# Altium PCB CPU_MOD.PcbDoc (continued)
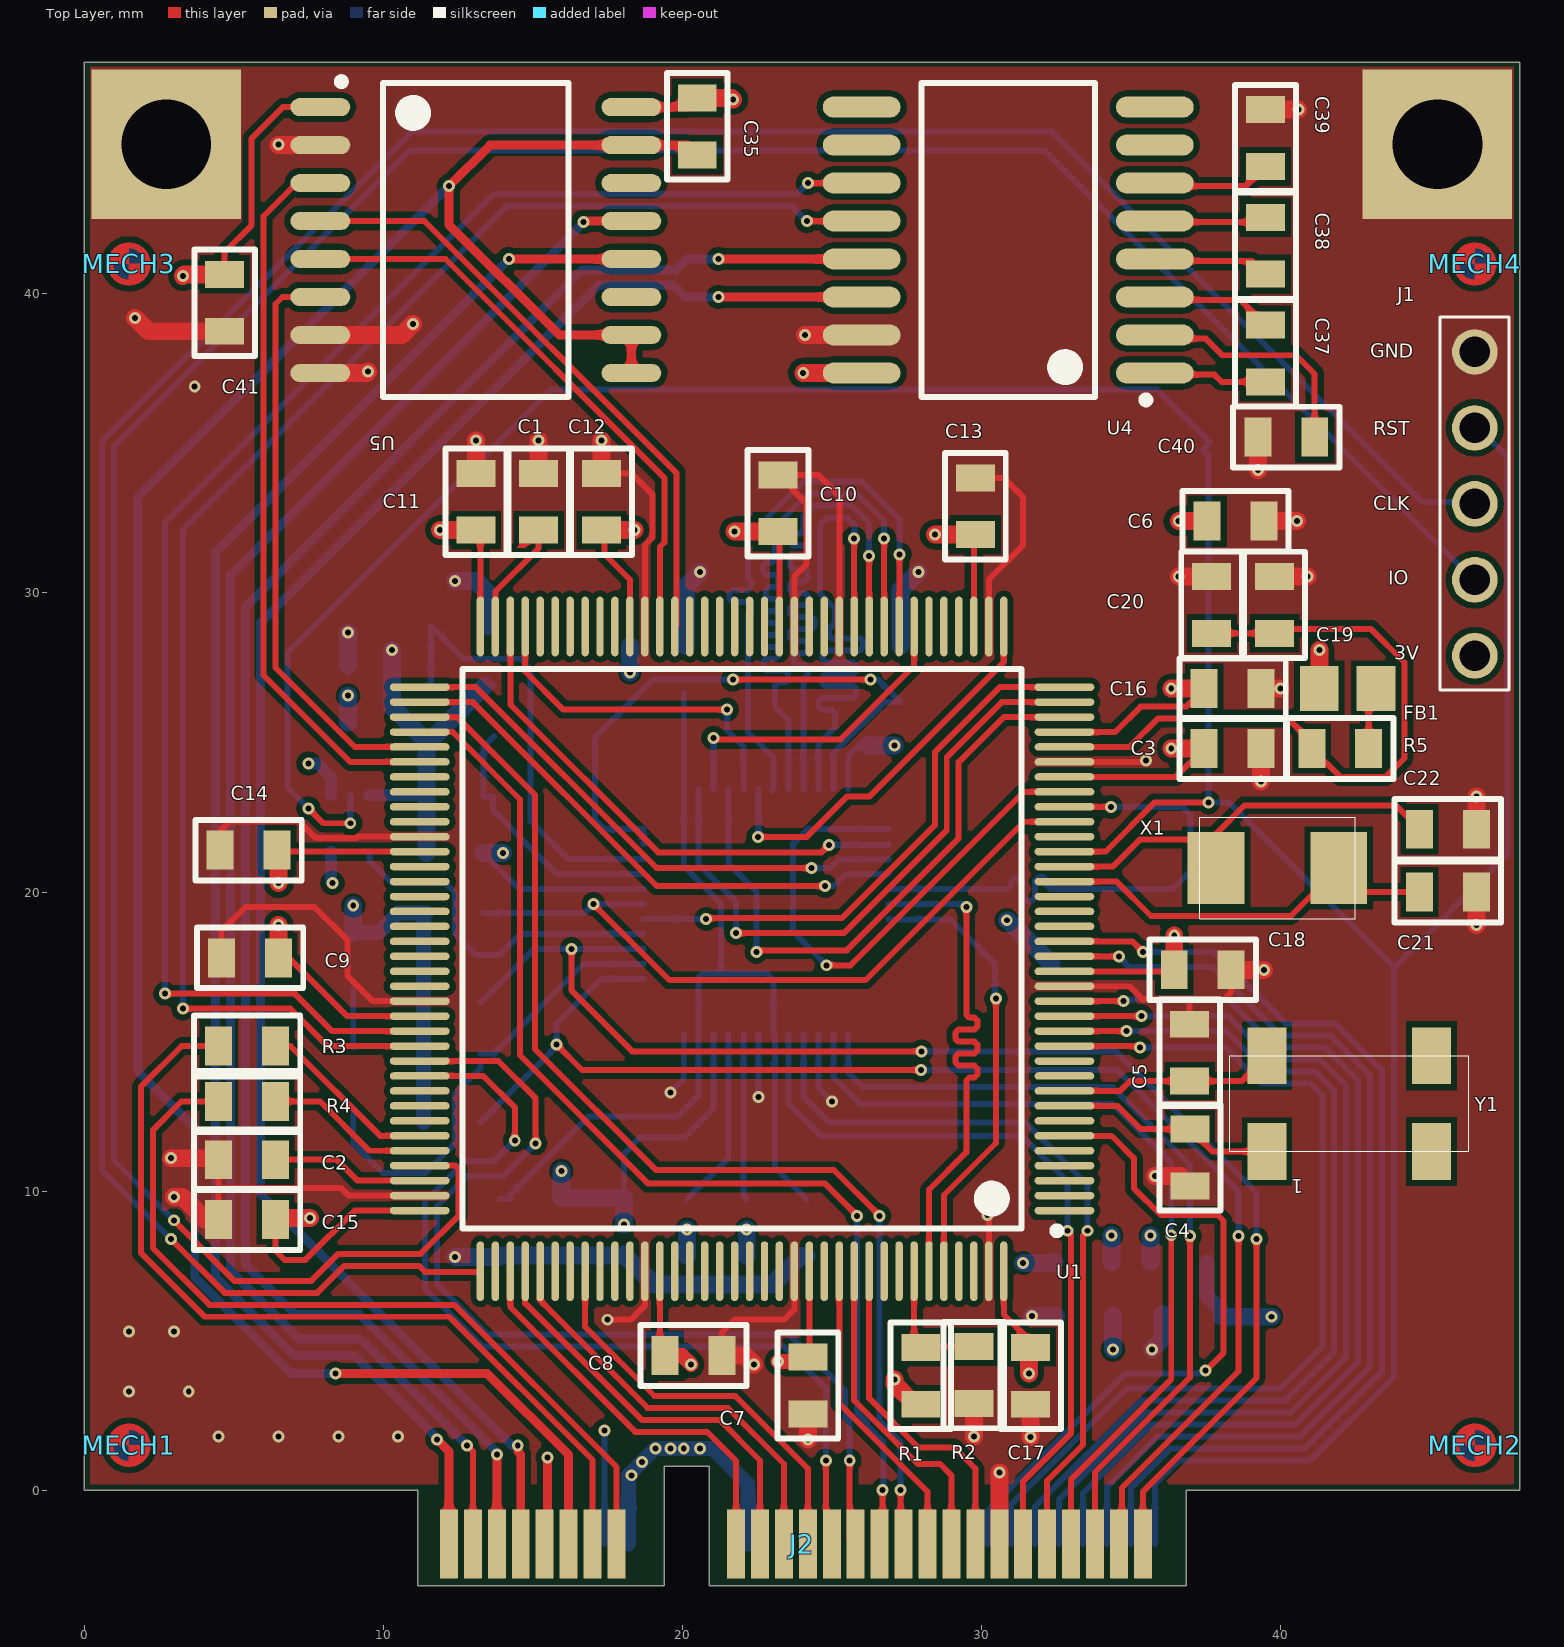
[diagram p0: Top Layer view]
## Footprints (in the part's own frame and the unit in brackets; to place one, negate y for a bottom-side part, rotate by r counter-clockwise, add the part's x,y. Pads: shape width x height; smd on the part's side, far side on the other; paste and mask are expansions set on the pad) (continued)
CRSTAL_RTC [mm] "MC-306"
  rect 1.3x1.9 smd: 1(2.75,1.6) 2(-2.75,1.6) 3(-2.75,-1.6) 4(2.75,-1.6)
  silkscreen extent -4,-1.6 4,1.6, body extent -3.45,-1.45 3.65,1.65, height 1.6
DW16_L [mm] "SOIC, 16-Leads, Body 10.3x7.5mm, Pitch 1.27mm, IPC High Density"
  oval 2x0.6 smd: 1(-5.2,4.445) 2(-5.2,3.175) 3(-5.2,1.905) 4(-5.2,0.635) 5(-5.2,-0.635) 6(-5.2,-1.905) 7(-5.2,-3.175) 8(-5.2,-4.445) 9(5.2,-4.445) 10(5.2,-3.175) 11(5.2,-1.905) 12(5.2,-0.635) 13(5.2,0.635) 14(5.2,1.905) 15(5.2,3.175) 16(5.2,4.445)
  silkscreen extent -4.62,-5.25 3.1,5.42, body extent -5.31,-5.25 5.32,5.25, height 2.72
"Header 1x5 2.54mm" [mil]
  round 60 hole 40: 1(0,0) 2(100,0) 3(200,0) 4(300,0) 5(400,0)
  silkscreen extent -45,-45 446,46
LED_0805 [mil]
  rect 45.28x47 smd: 1(44.29,0) 2(-44.29,0)
  silkscreen extent -39,-25 39,25, body extent -41,-15 41,21, height 33
"MINI PCIE" [mm]
  rect 0.6x2.3 smd paste-0.9: 1(3.2,1.4) 3(4,1.4) 5(4.8,1.4) 7(5.6,1.4) 9(6.4,1.4) 11(7.2,1.4) 13(8,1.4) 15(8.8,1.4) 17(12.8,1.4) 19(13.6,1.4) 21(14.4,1.4) 23(15.2,1.4) 25(16,1.4) 27(16.8,1.4) 29(17.6,1.4) 31(18.4,1.4) 33(19.2,1.4) 35(20,1.4) 37(20.8,1.4) 39(21.6,1.4) 41(22.4,1.4) 43(23.2,1.4) 45(24,1.4) 47(24.8,1.4) 49(25.6,1.4) 51(26.4,1.4)
  rect 0.6x2.3 smd far side paste-0.9: 2(3.6,1.4) 4(4.4,1.4) 6(5.2,1.4) 8(6,1.4) 10(6.8,1.4) 12(7.6,1.4) 14(8.4,1.4) 16(9.2,1.4) 18(13.2,1.4) 20(14,1.4) 22(14.8,1.4) 24(15.6,1.4) 26(16.4,1.4) 28(17.2,1.4) 30(18,1.4) 32(18.8,1.4) 34(19.6,1.4) 36(20.4,1.4) 38(21.2,1.4) 40(22,1.4) 42(22.8,1.4) 44(23.6,1.4) 46(24.4,1.4) 48(25.2,1.4) 50(26,1.4) 52(26.8,1.4)
R0805 [mm]
  rect 0.9x1.3 smd: 1(-0.95,0) 2(0.95,0)
  silkscreen extent -1.78,-1.02 1.78,1.02, body extent -1.15,-0.67 1.15,0.68, height 0.76
sm-so-sc70-5 [mil] "SM-SO-SC70-5"
  rect 16x40 smd mask+2.36: 1(-25.59,-37.4) 2(0,-37.4) 3(25.59,-37.4) 4(25.59,37.4) 5(-25.59,37.4)
  silkscreen extent -56,-46 39,25, body extent -43,-47 43,47, height 43
SM_OSC_ABM3 [mm] "SM_OSC_ABM3"
  rect 1.9x2.4 smd: 1(-2.05,0) 2(2.05,0)
  silkscreen extent -2.6,-1.7 2.6,1.7, body extent -3.08,-1.85 3.13,1.85, height 1.44
STM-LQFP48_M [mm] "QFP, 48-Leads, Body 7x7mm, Pitch 0.5mm, IPC Low Density"
  oval 2.1x0.3 smd mask+0.1: 1(-4.1,2.75) 2(-4.1,2.25) 3(-4.1,1.75) 4(-4.1,1.25) 5(-4.1,0.75) 6(-4.1,0.25) 7(-4.1,-0.25) 8(-4.1,-0.75) 9(-4.1,-1.25) 10(-4.1,-1.75) 11(-4.1,-2.25) 12(-4.1,-2.75) 25(4.1,-2.75) 26(4.1,-2.25) 27(4.1,-1.75) 28(4.1,-1.25) 29(4.1,-0.75) 30(4.1,-0.25) 31(4.1,0.25) 32(4.1,0.75) 33(4.1,1.25) 34(4.1,1.75) 35(4.1,2.25) 36(4.1,2.75)
  oval 0.3x2.1 smd mask+0.1: 13(-2.75,-4.1) 14(-2.25,-4.1) 15(-1.75,-4.1) 16(-1.25,-4.1) 17(-0.75,-4.1) 18(-0.25,-4.1) 19(0.25,-4.1) 20(0.75,-4.1) 21(1.25,-4.1) 22(1.75,-4.1) 23(2.25,-4.1) 24(2.75,-4.1) 37(2.75,4.1) 38(2.25,4.1) 39(1.75,4.1) 40(1.25,4.1) 41(0.75,4.1) 42(0.25,4.1) 43(-0.25,4.1) 44(-0.75,4.1) 45(-1.25,4.1) 46(-1.75,4.1) 47(-2.25,4.1) 48(-2.75,4.1)
  silkscreen extent -4.23,-2.65 2.65,3.57, body extent -4.5,-4.5 4.5,4.5, height 1.5
STM-LQFP144_L [mm]
  oval 2x0.25 smd mask+0.2: 1(-10.779,8.75) 2(-10.779,8.25) 3(-10.779,7.75) 4(-10.779,7.25) 5(-10.779,6.75) 6(-10.779,6.25) 7(-10.779,5.75) 8(-10.779,5.25) 9(-10.779,4.75) 10(-10.779,4.25) 11(-10.779,3.75) 12(-10.779,3.25) 13(-10.779,2.75) 14(-10.779,2.25) 15(-10.779,1.75) 16(-10.779,1.25) 17(-10.779,0.75) 18(-10.779,0.25) 19(-10.779,-0.25) 20(-10.779,-0.75) 21(-10.779,-1.25) 22(-10.779,-1.75) 23(-10.779,-2.25) 24(-10.779,-2.75) 25(-10.779,-3.25) 26(-10.779,-3.75) 27(-10.779,-4.25) 28(-10.779,-4.75) 29(-10.779,-5.25) 30(-10.779,-5.75) 31(-10.779,-6.25) 32(-10.779,-6.75) 33(-10.779,-7.25) 34(-10.779,-7.75) 35(-10.779,-8.25) 36(-10.779,-8.75) 73(10.779,-8.75) 74(10.779,-8.25) 75(10.779,-7.75) 76(10.779,-7.25) 77(10.779,-6.75) 78(10.779,-6.25) 79(10.779,-5.75) 80(10.779,-5.25) 81(10.779,-4.75) 82(10.779,-4.25) 83(10.779,-3.75) 84(10.779,-3.25) 85(10.779,-2.75) 86(10.779,-2.25) 87(10.779,-1.75) 88(10.779,-1.25) 89(10.779,-0.75) 90(10.779,-0.25) 91(10.779,0.25) 92(10.779,0.75) 93(10.779,1.25) 94(10.779,1.75) 95(10.779,2.25) 96(10.779,2.75) 97(10.779,3.25) 98(10.779,3.75) 99(10.779,4.25) 100(10.779,4.75) 101(10.779,5.25) 102(10.779,5.75) 103(10.779,6.25) 104(10.779,6.75) 105(10.779,7.25) 106(10.779,7.75) 107(10.779,8.25) 108(10.779,8.75)
  oval 0.25x2 smd mask+0.2: 37(-8.75,-10.779) 38(-8.25,-10.779) 39(-7.75,-10.779) 40(-7.25,-10.779) 41(-6.75,-10.779) 42(-6.25,-10.779) 43(-5.75,-10.779) 44(-5.25,-10.779) 45(-4.75,-10.779) 46(-4.25,-10.779) 47(-3.75,-10.779) 48(-3.25,-10.779) 49(-2.75,-10.779) 50(-2.25,-10.779) 51(-1.75,-10.779) 52(-1.25,-10.779) 53(-0.75,-10.779) 54(-0.25,-10.779) 55(0.25,-10.779) 56(0.75,-10.779) 57(1.25,-10.779) 58(1.75,-10.779) 59(2.25,-10.779) 60(2.75,-10.779) 61(3.25,-10.779) 62(3.75,-10.779) 63(4.25,-10.779) 64(4.75,-10.779) 65(5.25,-10.779) 66(5.75,-10.779) 67(6.25,-10.779) 68(6.75,-10.779) 69(7.25,-10.779) 70(7.75,-10.779) 71(8.25,-10.779) 72(8.75,-10.779) 109(8.75,10.779) 110(8.25,10.779) 111(7.75,10.779) 112(7.25,10.779) 113(6.75,10.779) 114(6.25,10.779) 115(5.75,10.779) 116(5.25,10.779) 117(4.75,10.779) 118(4.25,10.779) 119(3.75,10.779) 120(3.25,10.779) 121(2.75,10.779) 122(2.25,10.779) 123(1.75,10.779) 124(1.25,10.779) 125(0.75,10.779) 126(0.25,10.779) 127(-0.25,10.779) 128(-0.75,10.779) 129(-1.25,10.779) 130(-1.75,10.779) 131(-2.25,10.779) 132(-2.75,10.779) 133(-3.25,10.779) 134(-3.75,10.779) 135(-4.25,10.779) 136(-4.75,10.779) 137(-5.25,10.779) 138(-5.75,10.779) 139(-6.25,10.779) 140(-6.75,10.779) 141(-7.25,10.779) 142(-7.75,10.779) 143(-8.25,10.779) 144(-8.75,10.779)
  silkscreen extent -10.65,-9.35 9.35,9.55, body extent -11,-11 11,11, height 1.7
T-Fidicuals [mm] "Fidicuals"
  Top Layer region: 0,-0.625 -0.375,-0.5 -0.625,-0.25 -0.625,0 0,0
  Top Layer region: 0.625,0 0,0 0,0.625 0.375,0.5 0.625,0.25
  Top Layer lines w0.203: 0,0.625 cw(c0,0) 0,-0.625 cw(c0,0) 0,0.625
TI-DW16_M [mm] "SOIC, 16-Leads, Body 10.3x7.5mm, Pitch 1.27mm, IPC Low Density"
  oval 2.6x0.7 smd: 1(-4.9,4.445) 2(-4.9,3.175) 3(-4.9,1.905) 4(-4.9,0.635) 5(-4.9,-0.635) 6(-4.9,-1.905) 7(-4.9,-3.175) 8(-4.9,-4.445) 9(4.9,-4.445) 10(4.9,-3.175) 11(4.9,-1.905) 12(4.9,-0.635) 13(4.9,0.635) 14(4.9,1.905) 15(4.9,3.175) 16(4.9,4.445)
  silkscreen extent -4.73,-5.25 2.9,5.47, body extent -5.21,-5.25 5.42,5.25, height 3.22

## Part data
C1 C2: library part C-2.2UF,16V,0805, "KEMET - C0805C225K4RACTU - CAP, MLCC, X7R, 2.2UF, 16V, 0805"
C3 C19 C26 C27 C28 C29 C34 C41: library part C-1UF,16V,0805, "AVX - 0805YC105KAT2A - CAP, MLCC, X7R, 1UF, 16V, 0805"
C4 C5 C21 C22 C32 C33: library part C-18PF,50V,0805, "MULTICOMP - MC0805N180J500CT - CAP, MLCC, C0G/NP0, 18PF, 50V,0805, REEL"
C6: library part C-4.7UF,16V,0805, "AVX - 0805YC475KAT2A - CAP, MLCC, X7R, 4.7UF, 16V, 0805"
C7 C8 C9 C10 C11 C12 C13 C14 C15 C16 C17 C18 C20 C23 C24 C25 C30 C31 C35 C37 C38 C39 C40: library part C-100NF,16V,0805, "AVX - 0805YA103JAT2A - CAP, MLCC, C0G/NP0, 10NF, 16V, 0805"
D1: library part "LED-Green SMD 20mA 2V 0805", "LED Green SMD 20mA 2V 0805"
FB1: library part L-150OHM,800MA, "FERRITE 800MA 150 OHM 0805 SMD"
J1: library part "CON-Header 1X5 2.54MM", "Header 1X5 2.54"
MECH1 MECH2 MECH3 MECH4 MECH5 MECH6 MECH7 MECH8: "Fidicuals"
R1: library part R-1.5K,%1,0805, "RES SMD 1.5K OHM 1% 1/8W 0805"
R2: "RES SMD 10K OHM 1% 1/8W 0805"
R3 R4: library part R-22R,0805, "PANASONIC - ERJP06F22R0V - RESISTOR, THICK FILM, 22 OHM, 0.5W, 1%"
R5 R12 R13 R14 R15: library part R-49.9R,0805, "PANASONIC - ERJP06F49R9V - RESISTOR, THICK FILM, 49.9 OHM, 0.5W, 1%"
R6: library part R-270R,0805, "TE CONNECTIVITY / NEOHM 270R Thin Film"
R7 R8 R9 R10 R11 R16 R18: "PANASONIC - ERJP06F2201V - RESISTOR, THICK FILM, 2.2 KOHM, 0.5W, 1%"
R17: library part R-4.7K,0805, "BOURNS - CR0805-FX-4701GLF - RESISTOR, 4.7K, 0.125W, 1%"
U1: "IC MCU 32BIT 1MB FLASH 144LQFP"
U2: "IC ETHERNET PHY 10/100 48LQFP"
U3: library part "IC-SN74LVC1G08DCKRE4- AND 1 CH", "IC GATE AND 1CH 2-INP SC-70-5"
U4: "Dual Channel RS-232 Line Driver/Receiver"
U5: library part IC-ISO3082-SOIC-DW-16, "DG ISO 2.5KV RS422/RS485 16SOIC"
X1: library part OSC-ABM7-8.000MHZ-D2Y-T, "CRYSTAL 8.0000MHZ 18PF SMD"
Y1: library part "OSC-CRYSTAL 32.7680 KHZ", "CRYSTAL 32.7680 KHZ 12.5PF SMD"
Y2: library part OSC-Crystal25MHz-R, "RALTRON - RH100-25.000-18-F-3030-EXT - CRYSTAL, 25MHZ, 18PF, 3.2MM X 2.5MM"

## Free pads (board coordinates)
  rect 5x5 hole 3 unplated: MH1(2.75,45) MH2(45.25,45)

## Via types
v1: diameter 0.4, hole 0.2, Top Layer to Bottom Layer, tented both sides, 157 vias

## Nets (pads, with @x,y where several pads share a name; then routed paths per layer and width w, separated by ;. In a path a pad name is that pad's centre, name@x,y a point inside that pad or via, vN(x,y) a via of type N, cw(c..) or ccw(c..) an arc to the next point about the centre after c; other vN are vias at no path point)
3V3: C3.1 C6.2 C7.2 C8.2 C9.2 C10.2 C11.2 C12.2 C13.2 C14.2 C15.2 C16.2 C17.2 C18.2 C26.2 C27.2 C28.2 C29.2 C30.2 C31.2 C34.2 C41.2 FB1.2 J1.1 J2.16 J2.18 R6.2 R7.2 R8.2 R9.2 R10.1 R11.2 R12.1 R13.1 R14.1 R15.1 R16.1 R18.2 U1.17 U1.30 U1.33 U1.39 U1.52 U1.62 U1.72 U1.84 U1.95 U1.108 U1.121 U1.131 U1.144 U2.22 U2.32 U2.48 U3.1 U3.5 U4.16 U5.1 | length 137.3
  Top Layer w0.2: C41.2 4.7,41.4 5.6,42.3 5.6,45.2 6.645,46.245 U5.1 ; C15.2@6.45,9.1 C15.2 6.4,8 6.7,7.7 7.4,7.7 9.05,9.35 U1.108 ; C9.2 6.847,17.8 8.797,15.85 U1.95 ; C14.2@6.5,21.35 U1.84 ; C11.2 13.25,31.95 U1.72 ; C12.2@17.4,32.1 17.4,31.3 18.25,30.45 U1.62 ; C8.2@19.25,4.55 U1.121 ; C10.2 23.25,32 U1.52 ; C7.2 24.25,4.5 U1.131 ; U1.39 C13.2@29.75,31.9 ; U1.144 30.75,5.875 C17.2@31.75,4.875 ; U1.17 C18.2@36.45,17.35 ; U1.30 36.5,23.85 C3.1 ; U1.33 34.477,25.35 35.327,26.2 36.85,26.2 C16.2
  Top Layer w0.5: C8.2@19.425,4.625 C8.2 20,4.5 v1(20.3,4.2) ; v1(23.2,4.3) 24.05,4.3 C7.2
  Top Layer w0.6: v1(3.3,40.6) 3.35,40.65 C41.2 ; C15.2@6.45,9.1 v1(7.55,9.1) ; C14.2 6.5,21.35 v1(6.5,20.3) ; C9.2 v1(6.5,18.9) ; v1(11.9,32.1) C11.2 ; C12.2 17.4,32.1 v1(18.4,32.1) ; v1(21.75,32.05) C10.2 ; v1(24.045,37.355) U4.16 ; v1(28.45,31.95) C13.2@29.7,31.95 ; v1(31.6,3.9) 31.6,4.725 C17.2 ; v1(36.35,24.8) C3.1 ; v1(36.35,26.8) C16.2 ; C18.2 v1(36.45,18.55) ; v1(36.6,32.4) C6.2 ; FB1.2 v1(41.3,28.1)
  Bottom Layer w0.2: R10.1@11.35,19.2 R10.1@11.45,19.3 ; C29.2 14.55,20.1 U2.32 ; C26.2 18.056,11.256 18.6,11.8 20.081,11.8 21.05,12.769 U2.22 ; v1@21.6,32.1 21.65,32.05 v1(21.75,32.05) ; U2.48 25.55,24.55 25.9,24.9 26.2,24.9 ; C30.2@38.025,5.8 C30.2@38.025,6
  Bottom Layer w0.4: v1(7.5,24.3) 7.8,24.3 8.25,23.85 U3.1 ; U3.5 8.25,20.35 v1(8.3,20.3)
  Bottom Layer w0.5: R6.2 9.85,18.65 10.5,19.3 R10.1 R10.1@11.45,19.3 ; R9.2 R8.2 R7.2 R10.1@11.35,19.2 ; J2.16 18.2,0.5 v1(19.1,1.4) 21,1.4 22.2,0.2 J2.18 ; R15.1 37.55,6.475 C30.2@38.025,6
  Bottom Layer w0.6: C34.2 v1(8.82,26.565) ; R6.2 v1(9,19.544) ; C29.2 v1(14,21.3) ; v1(15.956,10.669) C27.2 C26.2 v1(18.056,8.88) ; v1(18.246,27.336) C28.2 ; R18.2 v1(20.156,8.719) ; R11.2 v1(22.156,8.719) ; 26.2,24.9 v1(27.094,24.9) ; v1(30.85,19.057) 30.893,19.057 R16.1 ; v1(31.4,7.6) 32.425,7.6 R12.1 ; R13.1@34.35,7.625 v1(34.35,8.519) ; v1(34.4,4.7) C31.2 ; R14.1@35.65,7.625 v1(35.65,8.519) ; C30.2@38.025,5.8 v1(39.7,5.8)
  other v1: 18.3,0.5 18.65,0.95 19.6,1.4 20.05,1.4 20.6,1.4
5V: J2.12
ADC_MONITOR: J2.50 U1.19 | length 34.4
  Top Layer w0.2: U1.19 35.05,18.35 v1(35.4,18)
  Bottom Layer w0.2: J2.50 35,0.072 36.328,1.4 40.828,1.4 43.4,3.972 43.4,14.028 41.828,15.6 40.193,15.6 37.793,18 v1(35.4,18)
BAT3V3: J2.38 U1.6 | length 22.7
  Top Layer w0.2: U1.6 34.35,11.85 35.1,11.1 35.1,10.1 36,9.2 37.9,9.2 38.1,9 38.1,4.6 v1(37.5,4)
  Bottom Layer w0.2: J2.38 30.2,-0.7 34.8,3.9 37.4,3.9 v1(37.5,4)
ETH0_ACTLED: J2.49 R9.1 U2.26 | length 46.2
  Top Layer w0.2: v1(15.8,14.9) 16.65,14.05 v1(27.975,14.05) ; J2.49 34.7,-1.7 34.7,0.075 38.6,3.975 v1(38.6,8.5)
  Bottom Layer w0.2: R9.1 15.8,14.85 v1(15.8,14.9) 15.8,15.6 17.3,17.1 U2.26 ; v1(27.975,14.05) 34.549,14.05 38.6,9.999 v1(38.6,8.5)
ETH0_INT: R16.2 U1.140 U2.7 | length 15.2
  Top Layer w0.2: U1.140 28.75,9.87 30.488,11.608 v1(30.488,16.434)
  Bottom Layer w0.2: U2.7 26.917,19.083 28.967,19.083 R16.2 30.45,16.473 v1(30.488,16.434)
ETH0_LINKLED: J2.51 R7.1 U2.28 | length 46.8
  Top Layer w0.2: v1(16.3,18.1) 16.3,16.7 18.325,14.675 v1(28,14.675) ; J2.51@35.5,-1.7 J2.51 35.4,-0.056 39.2,3.744 v1(39.2,8.4)
  Bottom Layer w0.2: R7.1 15.05,18.1 U2.28 ; v1(28,14.675) 34.49,14.675 39.2,9.965 v1(39.2,8.4)
ETH0_MII_COL: U1.37 U2.42 | length 13.4
  Top Layer w0.2: v1(22.538,21.844) 24.164,21.844 25.519,23.2 26.264,23.2 30.75,27.686 U1.37
  Bottom Layer w0.2: v1(22.538,21.844) 22.55,21.856 U2.42
ETH0_MII_CRS: U1.34 U2.40 | length 20.9
  Top Layer w0.2: v1(22.475,18) 22.527,18.052 25.502,18.052 29.244,21.794 29.244,24.344 30.75,25.85 U1.34
  Bottom Layer w0.2: U2.40 21.55,20.95 22.475,20.025 v1(22.475,18)
ETH0_MII_MD_CLK: R10.2 U1.27 U2.31 | length 24.5
  Top Layer w0.2: v1(17.025,19.6) 19.573,17.052 26.128,17.052 31.426,22.35 U1.27
  Bottom Layer w0.2: R10.2@13.35,19.3 16.725,19.3 v1(17.025,19.6) U2.31
ETH0_MII_MD_IO: U1.36 U2.30 | length 18.7
  Top Layer w0.2: v1(20.8,19.1) 20.825,19.125 25.335,19.125 28.444,22.233 28.444,24.675 30.619,26.85 U1.36
  Bottom Layer w0.2: U2.30 v1(20.8,19.1)
ETH0_RSTN: U2.29 U3.4 | length 11.9
  Bottom Layer w0.2: U3.4 9.55,21.045 10.295,20.3 12.083,20.3 12.4,19.983 12.4,18.6 13.1,17.9 13.9,17.9 14.6,18.6 U2.29
ETH0_RX_CLK: U1.35 U2.38 | length 21
  Top Layer w0.2: v1(21.8,18.625) 25.401,18.625 28.844,22.068 28.844,24.509 30.684,26.35 U1.35
  Bottom Layer w0.2: U2.38 20.55,20.925 21.8,19.675 v1(21.8,18.625)
ETH0_RX_DV: U1.43 U2.39 | length 10.9
  Top Layer w0.2: v1@21,25.1 25.286,25.1 27.75,27.564 U1.43
  Bottom Layer w0.2: U2.39@21,23.5 U2.39 v1(21.05,25.15)
ETH0_RX_ERR: U1.69 U2.41 | length 11.7
  Top Layer w0.2: U1.69 14.75,27.375 16.025,26.1 v1(21.5,26.1)
  Bottom Layer w0.2: v1(21.5,26.1) 21.5,25.4 22.05,24.85 U2.41
ETH0_RXD_0: U1.44 U2.43 | length 20.1
  Top Layer w0.2: U1.44 27.263,28.892 v1(27.263,31.293)
  Bottom Layer w0.2: U2.43@23,23.4 U2.43 23.05,24.486 22.2,25.336 22.2,27.4 22.2,29.298 22.202,29.3 22.2,29.3 22.3,29.4 22.3,29.6 22.2,29.7 21.684,29.7 21.584,29.8 21.584,30 21.684,30.1 22.2,30.1 22.202,30.1 22.302,30.2 22.302,30.4 22.202,30.5 22.2,30.502 22.2,30.7 22.2,31.793 22.25,31.843 22.25,31.922 24.053,33.725 25.997,33.725 27.263,32.459 v1(27.263,31.293)
ETH0_RXD_1: U1.45 U2.44 | length 21
  Top Layer w0.2: U1.45 v1(26.75,31.827)
  Bottom Layer w0.2: U2.44 23.55,25.752 23.1,26.202 23.1,26.5 23.1,26.9 23.2,27 23.442,27 23.542,27.1 23.542,27.3 23.442,27.4 23.1,27.4 22.808,27.4 22.708,27.5 22.708,27.7 22.808,27.8 23.1,27.8 23.117,27.8 23.217,27.9 23.217,28.1 23.117,28.2 23.1,28.2 22.808,28.2 22.708,28.3 22.708,28.5 22.808,28.6 23.1,28.6 23.2,28.7 23.2,28.9 23.1,29 22.896,29 22.796,29.1 22.796,29.3 22.896,29.4 23.1,29.4 23.2,29.5 23.2,29.7 23.1,29.8 22.898,29.8 22.798,29.9 22.798,30.1 22.898,30.2 23.1,30.2 23.2,30.3 23.2,30.5 23.1,30.6 22.808,30.6 22.708,30.7 22.708,30.9 22.808,31 23,31 23.1,31.1 23.1,31.4 23.1,31.6 23.1,32.206 24.219,33.325 25.831,33.325 26.75,32.406 v1(26.75,31.827)
ETH0_RXD_2: U1.46 U2.45 | length 21.1
  Top Layer w0.2: U1.46 v1(26.25,31.242)
  Bottom Layer w0.2: U2.45@24.037,23.463 U2.45 24.05,26.1 24.05,26.5 24.05,26.7 24.05,27.137 24.104,27.191 24.1,27.191 24.199,27.291 24.199,27.491 24.099,27.591 24.05,27.591 23.821,27.591 23.721,27.691 23.721,27.891 23.821,27.991 24.05,27.991 24.099,27.991 24.199,28.091 24.199,28.291 24.099,28.391 24.05,28.391 23.704,28.391 23.604,28.491 23.604,28.691 23.704,28.791 24.05,28.791 24.325,28.791 24.425,28.891 24.425,29.091 24.325,29.191 24.05,29.191 23.704,29.191 23.604,29.291 23.604,29.491 23.704,29.591 24.05,29.591 24.106,29.591 24.206,29.691 24.206,29.891 24.106,29.991 24.05,29.991 23.704,29.991 23.604,30.091 23.604,30.291 23.704,30.391 24.05,30.391 24.096,30.391 24.196,30.491 24.196,30.691 24.096,30.791 24.05,30.791 23.704,30.791 23.604,30.891 23.604,31.091 23.704,31.191 24.05,31.191 24.096,31.191 24.196,31.291 24.196,31.491 24.096,31.591 24.05,31.591 23.704,31.591 23.604,31.691 23.604,31.891 23.704,31.991 23.95,31.991 24.05,32.091 24.05,32.391 24.05,32.591 24.384,32.925 25.666,32.925 26.25,32.341 v1(26.25,31.242)
ETH0_RXD_3: U1.47 U2.46 | length 20.9
  Top Layer w0.2: U1.47 v1(25.75,31.827)
  Bottom Layer w0.2: U2.46 24.55,24.95 25.1,25.5 25.1,25.981 25,26.081 24.649,26.081 24.549,26.181 24.549,26.381 24.649,26.481 25.1,26.481 25.716,26.481 25.816,26.581 25.816,26.781 25.716,26.881 25.1,26.881 24.783,26.881 24.683,26.981 24.683,27.181 24.783,27.281 25.1,27.281 25.688,27.281 25.788,27.381 25.788,27.581 25.688,27.681 25.1,27.681 24.783,27.681 24.683,27.781 24.683,27.981 24.783,28.081 25.1,28.081 25.951,28.081 26.051,28.181 26.051,28.381 25.951,28.481 25.1,28.481 25,28.481 24.9,28.581 24.9,28.781 25,28.881 25.1,28.981 25.1,29.281 25.1,29.481 24.6,29.981 24.6,32.275 24.825,32.5 25.525,32.5 25.764,32.261 v1@25.764,31.827
ETH0_SPEEDLED: D1.1 R8.1 U2.27 | length 15
  Bottom Layer w0.2: D1.1 9,11.6 10,10.6 11.4,10.6 12.4,11.6 12.4,13.25 13.25,14.1 R8.1 ; R8.1@13.25,14.595 13.695,14.595 16.7,17.6 U2.27
ETH0_TX_CLK: U1.29 U2.1 | length 18.3
  Top Layer w0.2: v1(24.824,17.552) 25.627,17.552 31.425,23.35 U1.29
  Bottom Layer w0.2: v1(24.824,17.552) 23.707,18.669 23.707,21.616 24.191,22.1 U2.1
ETH0_TX_EN: U1.70 U2.2 | length 17.4
  Top Layer w0.2: U1.70 14.25,26.272 19.197,21.325 24.65,21.325 v1(24.9,21.575)
  Bottom Layer w0.2: v1(24.9,21.575) 26.875,21.575 U2.2
ETH0_TXD_0: U1.73 U2.3 | length 18.3
  Top Layer w0.2: U1.73 13.1,26.85 19.147,20.803 v1(24.316,20.803)
  Bottom Layer w0.2: v1(24.316,20.803) 24.953,20.803 25.24,21.09 26.89,21.09 U2.3
ETH0_TXD_1: U1.74 U2.4 | length 18.4
  Top Layer w0.2: U1.74 13,26.35 19.15,20.2 v1(24.775,20.2)
  Bottom Layer w0.2: v1(24.775,20.2) 25.059,20.2 25.459,20.6 U2.4
ETH0_TXD_2: U1.28 U2.5 | length 18.3
  Top Layer w0.2: U1.28 v1(34.339,22.85)
  Bottom Layer w0.2: U2.5 28.432,20.1 28.518,20.1 30.8,20.1 30.88,20.1 31,20.22 31,20.332 31.12,20.452 31.28,20.452 31.4,20.332 31.4,20.1 31.4,19.819 31.52,19.699 31.68,19.699 31.8,19.819 31.8,20.1 31.8,20.381 31.92,20.501 32.08,20.501 32.2,20.381 32.2,20.22 32.32,20.1 33.4,20.1 36.4,20.1 36.991,20.691 36.991,22.581 36.722,22.85 v1(34.339,22.85)
ETH0_TXD_3: U1.139 U2.6 | length 18.3
  Top Layer w0.2: U1.139 28.25,10.05 29.498,11.298 29.498,11.4 29.498,13.7 29.598,13.8 29.766,13.8 29.866,13.9 29.866,14.1 29.766,14.2 29.498,14.2 29.23,14.2 29.13,14.3 29.13,14.5 29.23,14.6 29.498,14.6 29.766,14.6 29.866,14.7 29.866,14.9 29.766,15 29.498,15 29.23,15 29.13,15.1 29.13,15.3 29.23,15.4 29.498,15.4 29.766,15.4 29.866,15.5 29.866,15.7 29.766,15.8 29.598,15.8 29.498,15.9 29.498,16 v1(29.498,19.508)
  Bottom Layer w0.2: U2.6 29.405,19.6 v1(29.498,19.508)
ETH0RST: J1.4 J2.52 U1.25 U3.2 | length 115
  Top Layer w0.2: v1(7.5,22.8) 8,22.3 v1(8.9,22.3) ; U1.25 34.15,21.35 35.8,23 v1(37.6,23)
  Bottom Layer w0.2: v1(7.5,22.8) 6.8,23.5 6.8,28 15.6,36.8 35.875,36.8 37.65,35.025 37.4,34.775 37.6,34.575 v1(37.6,23) 38.275,23 43.8,17.475 ; v1(8.9,22.3) U3.2 ; J2.52 35.8,0.2 36.6,1 41,1 43.8,3.8 43.8,17.475 ; J1.4@46.3,35.58 46.56,35.58 47.6,34.54 47.6,21.275 43.8,17.475
ETHER0RD_N: J2.47 R15.2 U2.13 | length 28
  Top Layer w0.2: J2.47 33.8,0.6 36.975,3.775 v1(36.975,8.5)
  Bottom Layer w0.2: U2.13 25.55,13.958 26.033,13.475 34.391,13.475 36.975,10.891 v1(36.975,8.5)
ETHER0RD_P: J2.45 R14.2 U2.14 | length 28.1
  Top Layer w0.2: J2.45 33,0.366 36.35,3.716 v1(36.35,8.525)
  Bottom Layer w0.2: U2.14 25.05,13.816 25.947,12.919 34.381,12.919 36.35,10.95 v1(36.35,8.525)
ETHER0TD_N: J2.43 R13.2 U2.16 | length 25.4
  Top Layer w0.2: J2.43 32.2,0.325 33.4,1.525 33.4,8.525 v1(33.55,8.675)
  Bottom Layer w0.2: U2.16 24.05,13.15 24.9,12.3 31.466,12.3 33.55,10.216 v1(33.55,8.675)
ETHER0TD_P: J2.41 R12.2 U2.17 | length 25.6
  Top Layer w0.2: J2.41 31.4,0.3 33,1.9 33,8.55 v1(32.875,8.675)
  Bottom Layer w0.2: U2.17 23.55,12.943 24.643,11.85 31.35,11.85 32.875,10.325 v1(32.875,8.675)
GND: C1.1 C2.1 C3.2 C4.2 C5.2 C6.1 C7.1 C8.1 C9.1 C10.1 C11.1 C12.1 C13.1 C14.1 C15.1 C16.1 C17.1 C18.1 C19.1 C20.1 C21.2 C22.2 C23.1 C24.1 C25.1 C26.1 C27.1 C29.1 C30.1 C31.1 C32.1 C33.1 C34.1 C39.1 C40.1 C41.1 J1.5 J2.2 J2.10 J2.39 pad.MH1 pad.MH2 R2.1 R17.1 U1.16 U1.31 U1.38 U1.48 U1.51 U1.61 U1.83 U1.94 U1.107 U1.120 U1.130 U1.143 U2.15 U2.19 U2.24 U3.3 U4.15 U5.2 U5.7 U5.8 Y2.2 Y2.4 | length 152.8
  Top Layer w0.2: C2.1 4.5,10 ; C14.1 4.55,22.05 4.85,22.35 7.2,22.35 7.75,21.8 9.107,21.8 9.157,21.85 U1.83 ; C9.1 4.6,18.7 5.4,19.5 7.7,19.5 8.8,18.4 8.8,17.2 9.65,16.35 U1.94 ; U1.107 8.85,9.85 8.6,10.1 4.6,10.1 4.5,10 ; C12.1 18.3,34 19,33.3 19,31.851 18.75,31.601 U1.61 ; v1(17.5,5.7) 18.278,5.7 18.75,6.172 U1.120 ; C8.1 21.325,5.275 21.75,5.7 23.4,5.7 23.75,6.05 U1.130 ; U1.51 23.75,30.55 24.15,30.95 24.15,33 C10.1 24.55,33.95 25.25,33.25 U1.48 ; C13.1 30.75,33.85 31.4,33.2 31.4,31.6 30.25,30.45 U1.38 ; v1(30.2,9.2) 30.25,9.15 U1.143 ; U1.16 34.957,16.85 35.407,16.4 37,16.4 ; U1.31 35.45,24.35 v1(35.5,24.4) ; C5.2 36.965,16.365 37,16.4 ; C18.1 38.35,16.65 38.1,16.4 37,16.4 ; 4.5,10 C15.1 4.5,10
  Top Layer w0.6: v1(1.7,39.2) 2.15,38.75 C41.1 ; v1(2.9,11.1) 4.45,11.1 C2.1 ; v1(3,9.8) 3.3,9.8 4.05,9.05 C15.1 ; v1@6.5,44.975 U5.2@7.8,44.975 ; U5.8 9.455,37.355 v1(9.5,37.4) ; U5.7 10.625,38.625 v1(11,39) ; C11.1 v1(13.1,35.1) ; C1.1 v1(15.2,35.1) ; C12.1 v1(17.3,35.1) ; C8.1 22.1,4.5 v1(22.4,4.2) ; v1(24.1,38.625) U4.15 ; v1(24.2,1.7) C7.1 ; v1(29.75,1.8) R2.1 ; J2.39 v1(30.6,0.6) ; v1(31.65,1.775) C17.1 ; v1(35.8,10.5) 36.65,10.5 C4.2 ; v1(36.6,30.55) C20.1 ; C18.1 v1(39.45,17.4) ; v1(39.247,34.11) C40.1 ; v1(39.35,23.7) C3.2 ; C16.1 v1(40,26.8) ; C6.1 v1(40.55,32.4) ; C39.1 v1(40.597,46.16) ; C19.1 v1(40.9,30.55) ; v1(46.55,18.9) C21.2 ; C22.2 v1(46.55,23.2)
  Bottom Layer w0.2: 12.5,25.993 12.5,26.2 13.2,26.9 13.4,26.9 Y2.2 ; v1(19.6,13.3) 20.05,13.75 U2.24 ; v1@22.5,13.1 v1(22.55,13.15) U2.19 ; U2.15 24.55,13.45 v1(25,13)
  Bottom Layer w0.4: U3.3 11.4,23.25 C33.1
  Bottom Layer w0.6: C34.1 v1(8.82,28.671) ; v1(10.3,28.1) 10.3,26.193 11.45,25.043 Y2.4@11.45,24.943 ; C29.1 Y2.4@11.45,24.943 ; v1(12.4,7.8) 13.861,7.8 C24.1 18.024,7.843 C26.1 19.056,6.875 23.013,6.875 23.963,7.825 C25.1 ; v1(12.4,30.4) 13.1,30.4 13.5,30 C32.1 ; Y2.2@13.4,26.9 12.65,26.15 12.65,26.143 12.5,25.993 Y2.4@11.45,24.943 ; C23.1 20.125,30.225 v1(20.6,30.7) ; R17.1 27.3,30.1 v1(27.9,30.7) ; v1(31.7,5.825) C31.1 ; v1(35.7,4.7) 36.05,5.05 C30.1
  other v1: 4.5,1.8 6.5,1.8 8.5,1.8 10.5,1.8 1.5,3.3 3.5,3.3 1.5,5.3 3,5.3 3.7,36.9 6.5,45
GND0: C35.1 J2.11 U5.9 U5.10 U5.15 | length 78.7
  Top Layer w0.3: v1(8.4,3.9) 13.478,3.9 16.2,1.178 J2.11 ; U5.9 U5.10 15.891,38.625 12.2,42.316 v1(12.2,43.6) 13.575,44.975 U5.15 20.175,44.975 C35.1
  Bottom Layer w0.3: v1(8.4,3.9) 6.922,3.9 3.7,7.122 3.7,12.1 1.8,14 1.8,33.2 v1(12.2,43.6)
GSM_HS_DM: J2.31 U1.75 | length 38.4
  Top Layer w0.2: U1.75 12.475,25.85 15.075,23.25 15.075,14.75 19.125,10.7 25.075,10.7 v1(26.6,9.175) ; J2.31@27.25,-1.65 J2.31@27.301,-1.599 ; J2.31@27.3,-1.598 v1(27.3,0)
  Bottom Layer w0.2: v1(26.6,9.175) 26.6,2.3 27.3,1.6 v1(27.3,0)
GSM_HS_DP: J2.29 U1.76 | length 37.7
  Top Layer w0.2: U1.76 12.321,25.35 14.575,23.096 14.575,14.543 18.868,10.25 24.775,10.25 v1(25.85,9.175) ; J2.29 26.7,-1.7 v1(26.7,0)
  Bottom Layer w0.2: v1(25.85,9.175) 25.85,2.593 26.2,2.243 26.2,2.134 26.725,1.609 v1@26.725,0
ISO5V: C35.2 J2.9 U5.16 | length 6.5
  Top Layer w0.3: J2.9 15.5,-1.7 v1(15.5,1.1) ; U5.16 20.195,46.245 C35.2
  Top Layer w0.6: C35.2 21.65,46.55 v1(21.7,46.5)
MICROSDCARD_DETECT: J2.40 U1.12 | length 31.6
  Top Layer w0.2: U1.12 35.25,14.85 v1(35.3,14.8)
  Bottom Layer w0.2: J2.40 31,-0.466 34.866,3.4 40,3.4 41.4,4.8 41.4,13.2 41,13.6 39.364,13.6 38.165,14.8 v1(35.3,14.8)
MPU_POWER_ON/OFF: J2.46 U1.15 | length 33
  Top Layer w0.2: U1.15 v1(34.75,16.35)
  Bottom Layer w0.2: J2.46 33.4,-0.1 35.7,2.2 40.497,2.2 42.6,4.303 42.6,13.697 41.497,14.8 39.862,14.8 38.362,16.3 ; v1(34.75,16.35) 34.8,16.4 38.262,16.4 38.312,16.35
NetC1_2: C1.2 U1.71 | length 3.8
  Top Layer w0.2: U1.71 13.75,30.05 15.2,31.5 C1.2
NetC2_2: C2.2 U1.106 | length 5.1
  Top Layer w0.2: C2.2 8.45,11.05 9.15,10.35 U1.106
NetC4_1: C4.1 U1.8 Y1.1 | length 7.4
  Top Layer w0.2: U1.8 34.55,12.85 35.325,12.075 C4.1 37.725,11.325 Y1.1
NetC5_1: C5.1 U1.9 Y1.4 | length 7.3
  Top Layer w0.2: U1.9 34.643,13.35 34.974,13.681 C5.1 38.706,13.681 Y1.4
NetC19_2: C19.2 C20.2 R5.1 U1.32 | length 23.1
  Top Layer w0.2: U1.32 34.95,24.85 35.9,25.8 40.264,25.8 41.05,25.014 R5.1 42,23.85 43.524,23.85 44.15,24.476 44.15,27.674 43.024,28.8 39.95,28.8 C19.2 C20.2
NetC21_1: C21.1 U1.23 X1.2 | length 13.3
  Top Layer w0.2: U1.23 34.523,20.35 35.673,19.2 40.35,19.2 X1.2 42.75,20 C21.1
NetC22_1: C22.1 U1.24 X1.1 | length 14.5
  Top Layer w0.2: U1.24 34.396,20.85 35.3,21.754 36.896,21.754 X1.1 37.85,21.95 38.8,22.9 43.85,22.9 C22.1
NetC23_2: C23.2 C24.2 C25.2 U2.18 U2.23 U2.37 | length 32.5
  Bottom Layer w0.2: C24.2 C24.2@14.118,9.743 ; C24.2@14.243,9.743 C24.2@14.118,9.743 ; C23.2@20.05,26.66 20.05,20.859 21.3,19.609 21.3,17.275 ; C25.2 23.1,10.78 23.1,15.2 U2.18 23.05,17.075 22.85,17.275 21.3,17.275 ; C24.2@14.118,9.743 16.875,12.5 19.85,12.5 20.55,13.2 20.55,17.15 20.675,17.275 21.3,17.275
NetC28_1: C28.1 R17.2 U2.35 U2.36 U2.47 | length 20.5
  Top Layer w0.2: v1(21.7,27.1) v1(26.3,27.1)
  Bottom Layer w0.2: U2.35 U2.36 17.4,22.1 17.077,22.423 17.077,25.162 C28.1 19.016,27.1 v1(21.7,27.1) ; U2.47 25.05,24.65 26.75,26.35 R17.2 26.55,27.1 v1(26.3,27.1)
NetC32_2: C32.2 U2.34 Y2.1 | length 15.4
  Bottom Layer w0.2: Y2.1 11.6,27 C32.2 12.7,27.8 14.6,27.8 14.925,27.475 14.925,22.375 16.2,21.1 U2.34
NetC33_2: C33.2 U2.33 Y2.3 | length 8.9
  Bottom Layer w0.2: Y2.3 13.35,24.85 C33.2 13.675,23.2 13.675,22.725 15.8,20.6 U2.33
NetC37_1: C37.1 U4.3 | length 3.8
  Top Layer w0.2: U4.3@36.001,39.8 38.656,39.8 C37.1
NetC37_2: C37.2 U4.1 | length 3.6
  Top Layer w0.2: U4.1@35.961,37.3 37.79,37.3 38.031,37.06 C37.2
NetC38_1: C38.1 U4.5 | length 3.6
  Top Layer w0.2: U4.5@35.941,42.4 39.337,42.4 C38.1
NetC38_2: C38.2 U4.4 | length 3.7
  Top Layer w0.2: U4.4@35.971,41.1 39.056,41.1 C38.2
NetC39_2: C39.2 U4.6 | length 3.8
  Top Layer w0.2: U4.6@36.011,43.6 38.837,43.6 C39.2
NetC40_2: C40.2 U4.2 | length 7.7
  Top Layer w0.2: U4.2@36.031,38.5 37.506,38.5 38.058,37.948 40.521,37.948 41.147,37.323 C40.2
NetD1_2: D1.2 R6.1 | length 1.9
  Bottom Layer w0.2: D1.2 R6.1
NetFB1_1: FB1.1 R5.2 | length 2.1
  Top Layer w0.2: R5.2 42.95,26.55 FB1.1
NetR1_2: R1.2 R2.2 U1.138 | length 4.5
  Top Layer w0.2: U1.138 27.75,4.8 R2.2
NetR3_1: R3.1 U1.103 | length 6.1
  Top Layer w0.2: R3.1 6.9,14.85 9.9,11.85 U1.103
NetR4_1: R4.1 U1.104 | length 5.5
  Top Layer w0.2: R4.1 7.888,13 9.538,11.35 U1.104
NetR11_1: R11.1 U2.20 | length 5.6
  Bottom Layer w0.2: U2.20 22.05,9.83 R11.1
NetR18_1: R18.1 U2.21 | length 6.1
  Bottom Layer w0.2: R18.1 21.55,11.119 U2.21
PCI_RS232_RIN: J2.5 U4.13 | length 61.5
  Top Layer w0.3: J2.5 v1(13.8,1.2) ; v1(21.21,41.165) U4.13
  Bottom Layer w0.3: v1(13.8,1.2) 13.8,1.278 9.203,5.875 7.068,5.875 5.4,7.543 5.4,29.536 16.664,40.8 19.799,40.8 20.164,41.165 v1(21.21,41.165)
PCI_RS232_TOUT: J2.7 U4.14 | length 59.5
  Top Layer w0.3: v1(14.5,1.5) 14.5,1.3 14.6,1.2 J2.7 ; v1(21.21,39.895) U4.14
  Bottom Layer w0.3: v1(14.5,1.5) 14.3,1.5 5.9,9.9 5.9,29 17.2,40.3 19.7,40.3 20.105,39.895 v1(21.21,39.895)
PCI_RS485_USART3_A: J2.1 U5.12 | length 55.5
  Top Layer w0.3: v1(11.8,1.7) 12.2,1.3 J2.1 ; v1(14.2,41.165) U5.12
  Bottom Layer w0.3: v1@11.825,1.725 9.05,4.5 7.029,4.5 4.4,7.129 4.4,31.365 v1(14.2,41.165)
PCI_RS485_USART3_B: J2.3 U5.13 | length 55.3
  Top Layer w0.2: v1(12.8,1.5) 13,1.3 J2.3
  Top Layer w0.3: v1(16.7,42.4) 16.735,42.435 U5.13
  Bottom Layer w0.3: v1(12.8,1.5) 9.238,5.062 7.174,5.062 4.9,7.336 4.9,30.6 v1(16.7,42.4)
RS485_D: U1.77 U5.6 | length 19.7
  Top Layer w0.2: U5.6 6.634,39.895 6.4,39.661 6.4,27.5 9.05,24.85 U1.77
RS485_DE: U1.60 U5.5 | length 19.6
  Top Layer w0.2: U5.5 12.084,41.165 19.4,33.849 19.4,31.686 19.25,31.536 U1.60
RS485_R: U1.78 U5.3 | length 24.1
  Top Layer w0.2: U5.3 7.105,43.705 6,42.6 6,27.25 8.9,24.35 U1.78
RS485_RE: U1.59 U5.4 | length 20.5
  Top Layer w0.2: U5.4 11.379,42.435 19.8,34.014 19.8,28.929 U1.59
SIMCARD_DETECT: J2.48 U1.18 | length 34
  Top Layer w0.2: U1.18 v1(34.6,17.85)
  Bottom Layer w0.2: J2.48 34.2,0.1 35.9,1.8 40.663,1.8 43,4.137 43,13.863 41.663,15.2 40.027,15.2 37.727,17.5 34.934,17.5 34.6,17.834 v1(34.6,17.85)
SPI1_MISO: J2.35 U1.134 | length 10.9
  Top Layer w0.2: U1.134 25.75,3 27.875,0.875 28.625,0.875 29,0.5 J2.35
SPI1_MOSI: J2.37 U1.135 | length 11
  Top Layer w0.2: U1.135 26.25,3.076 27.901,1.425 29.1,1.425 29.8,0.725 J2.37@29.8,-1.5
SPI1_SCK: J2.33 U1.133 | length 10.3
  Top Layer w0.2: U1.133 25.25,2.9 28.2,-0.05 J2.33
STM32F4_MMC0_CLK: J2.21 U1.113 | length 14.1
  Top Layer w0.2: U1.113 15.25,6.345 18.845,2.75 21.525,2.75 23.4,0.875 J2.21
STM32F4_MMC0_CMD: J2.23 U1.116 | length 13.8
  Top Layer w0.2: U1.116 16.75,5.471 19.071,3.15 21.775,3.15 24.2,0.725 J2.23
STM32F4_MMC0_D0: J2.27 U1.98 | length 33.1
  Top Layer w0.2: U1.98 13.85,14.35 15.1,13.1 v1(15.1,11.6) ; v1(25.6,1) 25.6,-1.6 J2.27
  Bottom Layer w0.2: v1(15.1,11.6) 14,10.5 12.8,10.5 11.8,9.5 11.8,6.9 13.5,5.2 23.573,5.2 25.45,3.323 25.45,2.427 25.6,2.277 v1(25.6,1)
STM32F4_MMC0_D1: J2.25 U1.99 | length 31.6
  Top Layer w0.2: U1.99 13.35,13.85 14.4,12.8 v1(14.4,11.7) ; v1(24.8,1) 24.8,-1.6 J2.25
  Bottom Layer w0.2: v1(14.4,11.7) 13.7,11 12.734,11 11.4,9.666 11.4,6.734 13.334,4.8 23.407,4.8 24.8,3.407 v1(24.8,1)
STM32F4_MMC0_D2: J2.17 U1.111 | length 13.7
  Top Layer w0.2: U1.111 14.25,6.128 18.428,1.95 20.828,1.95 21.8,0.978 J2.17
STM32F4_MMC0_D3: J2.19 U1.112 | length 13.9
  Top Layer w0.2: U1.112 14.75,6.25 18.65,2.35 21.245,2.35 22.6,0.995 J2.19
STM32F4_RS232_RX: U1.97 U4.12 | length 51.7
  Top Layer w0.2: v1(3.3,16.1) 6.9,16.1 8.15,14.85 U1.97 ; v1(24.165,42.435) U4.12@25.887,42.435
  Bottom Layer w0.2: v1(3.3,16.1) 3.3,32.107 14.128,42.935 23.665,42.935 v1(24.165,42.435)
STM32F4_RS232_TX: U1.96 U4.11 | length 52.6
  Top Layer w0.2: v1(2.7,16.6) 7.05,16.6 8.3,15.35 U1.96 ; v1(24.2,43.7) U4.11@25.795,43.7
  Bottom Layer w0.2: v1(2.7,16.6) 2.7,32.35 13.685,43.335 23.835,43.335 v1(24.2,43.7)
SWDCLK: J1.3 U1.109 | length 94.7
  Top Layer w0.2: v1(2.9,8.4) 4.7,6.6 7.8,6.6 8.7,7.5 11.2,7.5 11.4,7.3 13.229,7.3 U1.109
  Bottom Layer w0.2: v1(2.9,8.4) 0.6,10.7 0.6,35.073 10.953,45.426 32.359,45.426 44.745,33.04 J1.3@46.7,33.04
SWDIO: J1.2 U1.105 | length 96.6
  Top Layer w0.2: v1(3,9.026) 5.026,7 7.6,7 8.5,7.9 11.247,7.9 12.521,9.174 12.521,10.743 12.414,10.85 U1.105
  Bottom Layer w0.2: v1(3,9.026) 1,11.026 1,34.907 10.893,44.8 32.1,44.8 46.4,30.5 J1.2@46.7,30.5
U5V_ST: J2.14 R1.1 | length 5.1
  Top Layer w0.2: v1(17.4,2) v1@17.4,2.025
  Top Layer w0.6: v1(27.1,3.7) 27.1,3.55 27.775,2.875 R1.1
  Bottom Layer w0.2: J2.14 v1(17.4,2)
UC20_MCU_RST: J2.42 U1.13 | length 32
  Top Layer w0.2: U1.13 v1(34.85,15.35)
  Bottom Layer w0.2: J2.42 31.8,-0.538 35.338,3 40.166,3 41.8,4.634 41.8,13.366 41.166,14 39.53,14 38.18,15.35 v1(34.85,15.35)
UC20_MCU_START: J2.44 U1.14 | length 32.5
  Top Layer w0.2: U1.14 v1(35.35,15.85)
  Bottom Layer w0.2: J2.44 32.6,-0.304 35.504,2.6 40.331,2.6 42.2,4.469 42.2,13.531 41.331,14.4 39.696,14.4 38.246,15.85 v1(35.35,15.85)
USB_1_DM: J2.13 R3.2 | length 29.6
  Top Layer w0.2: R3.2@4.6,14.85 R3.2 3.259,14.85 1.9,13.491 1.9,7.934 4.034,5.8 12.214,5.8 17,1.014 J2.13
USB_1_DP: J2.15 R4.2 | length 27.7
  Top Layer w0.2: R4.2 3.259,13 2.3,12.041 2.3,8.1 4.2,6.2 12.38,6.2 17.8,0.78 J2.15
pads on no net: J2.4 J2.6 J2.8 J2.20 J2.22 J2.24 J2.26 J2.28 J2.30 J2.32 J2.34 J2.36 U1.1 U1.2 U1.3 U1.4 U1.5 U1.7 U1.10 U1.11 U1.20 U1.21 U1.22 U1.26 U1.40 U1.41 U1.42 U1.49 U1.50 U1.53 U1.54 U1.55 U1.56 U1.57 U1.58 U1.63 U1.64 U1.65 U1.66 U1.67 U1.68 U1.79 U1.80 U1.81 U1.82 U1.85 U1.86 U1.87 U1.88 U1.89 U1.90 U1.91 U1.92 U1.93 U1.100 U1.101 U1.102 U1.110 U1.114 U1.115 U1.117 U1.118 U1.119 U1.122 U1.123 U1.124 U1.125 U1.126 U1.127 U1.128 U1.129 U1.132 U1.136 U1.137 U1.141 U1.142 U2.8 U2.9 U2.10 U2.11 U2.12 U2.25 U4.7 U4.8 U4.9 U4.10 U5.11 U5.14 Y1.2 Y1.3

## Polygon pours and split planes (outlines as drawn)
GND on Bottom Layer "Bottom Layer-GND" (solid, pour order 10): 11.3,0.2 11.3,-3.1 19.3,-3.1 19.3,0.2 19.3,0.9 20.1,0.9 21,0.9 21,0.2 47.8,0.2 47.8,47.6 0.2,47.6 0.2,0.2
GND on Top Layer "Bottom Layer-No Net" (solid, pour order 4): 0.2,47.6 0.2,0.2 11.3,0.2 11.4,0.2 11.7,0.2 14.9,0.2 18.3,0.2 19.2,0.2 19.2,1 20.1,1 21.1,1 21.1,0.2 47.8,0.2 47.8,47.6
GND on GND (split plane): 47.498,47.248 47.497,0.502 39.675,0.502 36.851,0.502 36.804,0.497 36.753,0.492 36.709,0.479 36.659,0.463 36.616,0.441 36.572,0.417 36.531,0.383 36.496,0.354 36.463,0.314 36.433,0.278 36.41,0.234 36.387,0.191 36.371,0.141 36.358,0.097 36.353,0.046 36.348,-0.001 36.348,-2.698 21.402,-2.698 21.402,0.799 21.392,0.897 21.363,0.991 21.317,1.078 21.254,1.154 21.178,1.217 21.091,1.263 20.997,1.292 20.899,1.302 19.401,1.302 19.349,1.296 19.303,1.292 19.255,1.277 19.209,1.263 19.167,1.241 19.122,1.217 19.084,1.186 19.046,1.154 19.014,1.116 18.983,1.078 18.959,1.033 18.937,0.991 18.921,0.94 18.908,0.897 18.903,0.846 18.898,0.799 18.898,-2.698 11.652,-2.698 11.652,-0.001 11.647,0.049 11.642,0.097 11.628,0.141 11.613,0.191 11.594,0.228 11.567,0.278 11.538,0.313 11.504,0.354 11.463,0.388 11.428,0.417 11.378,0.444 11.341,0.463 11.291,0.478 11.247,0.492 11.199,0.497 11.149,0.502 0.502,0.502 0.502,47.248
3V3 on PWR (split plane): 196 vertices, not listed, extent 0.502,-2.698 47.498,47.248
ISO5V on PWR (split plane): 22.248,47.248 22.248,45.852 12.1,45.852 12.035,45.844 11.992,45.826 11.974,45.818 11.951,45.801 11.922,45.778 5.822,39.678 5.782,39.626 5.756,39.565 5.748,39.5 5.748,6.4 5.756,6.335 5.782,6.274 5.822,6.222 6.722,5.322 6.774,5.282 6.835,5.256 6.9,5.248 14.296,5.248 16.248,3.296 16.248,2.7 16.248,1.3 16.248,0.552 15.152,0.552 15.152,1.6 15.144,1.665 15.118,1.726 15.096,1.756 15.078,1.778 13.878,2.978 13.826,3.018 13.765,3.044 13.7,3.052 6.504,3.052 4.352,5.204 4.352,39.996 11.605,47.248
U5V_ST on PWR (split plane): 28.848,4.496 28.848,2.352 26.904,2.352 23.978,5.278 23.926,5.318 23.865,5.344 23.8,5.352 20.3,5.352 20.235,5.344 20.174,5.318 20.122,5.278 18.022,3.178 17.982,3.126 17.956,3.065 17.948,3 17.948,1.552 16.752,1.552 16.752,3.496 20.204,6.948 26.396,6.948

## Other copper
PWR (plane layer: these items are gaps in the copper):
  lines w0.5: 16.5,2.7 16.5,3.4 14.4,5.5 6.9,5.5 6,6.4 6,39.5 12.1,45.6 22.5,45.6 22.5,47.75 11.75,47.75 4.1,40.1 4.1,5.1 6.4,2.8 13.7,2.8 14.9,1.6 14.9,0.3 16.5,0.3 16.5,1.3 ; 16.5,1.3 18.2,1.3 18.2,3 20.3,5.1 23.8,5.1 26.8,2.1 29.1,2.1 29.1,4.6 26.5,7.2 20.1,7.2 16.5,3.6 16.5,1.3

## Silkscreen, mask and mechanical layers (free items; w line width, h text height)
Top Overlay:
  text "GND" at 43,37.7 h0.8
  text "RST" at 43.1,35.1 h0.8
  text "CLK" at 43.1,32.6 h0.8
  text "IO" at 43.6,30.1 h0.8
  text "3V" at 43.8,27.6 h0.8
Mechanical 1:
  drawing of 381 lines, arcs and shapes, not listed
  text "Layer" at 58.383,53.68 h1.52
  text "Name" at 68.795,53.68 h1.52
  text "Material" at 92.41,53.68 h1.52
  text "Thickness" at 114.248,53.68 h1.52
  text "Constant" at 130.754,53.68 h1.52
  text "Board Layer Stack" at 145.228,53.68 h1.52
  text "48 (mm)" at 21.434,51.3 h0.8
  text "Top Overlay" at 68.795,50.632 h1.52
  text "Top Solder" at 68.795,47.584 h1.52
  text "Solder Resist" at 92.41,47.584 h1.52
  text "0.010mm" at 114.248,47.584 h1.52
  text "3.5" at 130.754,47.584 h1.52
  text "1" at 58.383,44.536 h1.52
  text "Top Layer" at 68.795,44.536 h1.52
  text "Copper" at 92.41,44.536 h1.52
  text "0.035mm" at 114.248,44.536 h1.52
  text "Dielectric 2" at 68.795,41.488 h1.52
  text "PP-014" at 92.41,41.488 h1.52
  text "0.107mm" at 114.248,41.488 h1.52
  text "4.2" at 130.754,41.488 h1.52
  text "2" at 58.383,38.44 h1.52
  text "GND" at 68.795,38.44 h1.52
  text "Copper" at 92.41,38.44 h1.52
  text "0.035mm" at 114.248,38.44 h1.52
  text "Dielectric 3" at 68.795,35.392 h1.52
  text "Core-036" at 92.41,35.392 h1.52
  text "0.508mm" at 114.248,35.392 h1.52
  text "4.6" at 130.754,35.392 h1.52
  text "3" at 58.383,32.344 h1.52
  text "PWR" at 68.795,32.344 h1.52
  text "Copper" at 92.41,32.344 h1.52
  text "0.035mm" at 114.248,32.344 h1.52
  text "Dielectric 4" at 68.795,29.296 h1.52
  text "PP-014" at 92.41,29.296 h1.52
  text "0.107mm" at 114.248,29.296 h1.52
  text "4.2" at 130.754,29.296 h1.52
  text "4" at 58.383,26.248 h1.52
  text "Bottom Layer" at 68.795,26.248 h1.52
  text "Copper" at 92.41,26.248 h1.52
  text "0.035mm" at 114.248,26.248 h1.52
  text "Bottom Solder" at 68.795,23.2 h1.52
  text "Solder Resist" at 92.41,23.2 h1.52
  text "0.010mm" at 114.248,23.2 h1.52
  text "3.5" at 130.754,23.2 h1.52
  text "47.75 (mm)" at 51.246,20.226 h0.8 r90
  text "Bottom Overlay" at 68.795,20.152 h1.52
  text "3.2 (mm)" at 52.745,-4.449 h0.8 r90
  text "1.5 (mm)" at 17.318,-7.545 h0.8
  text "25.7 (mm)" at 20.7,-9.1 h0.8

## Text inside footprints (layer, text, board x,y; h text height)
Y1: Top Overlay "1" at 40.764,10.542 h0.79 r180